# KiCad board analog_i.kicad_pcb (continued)
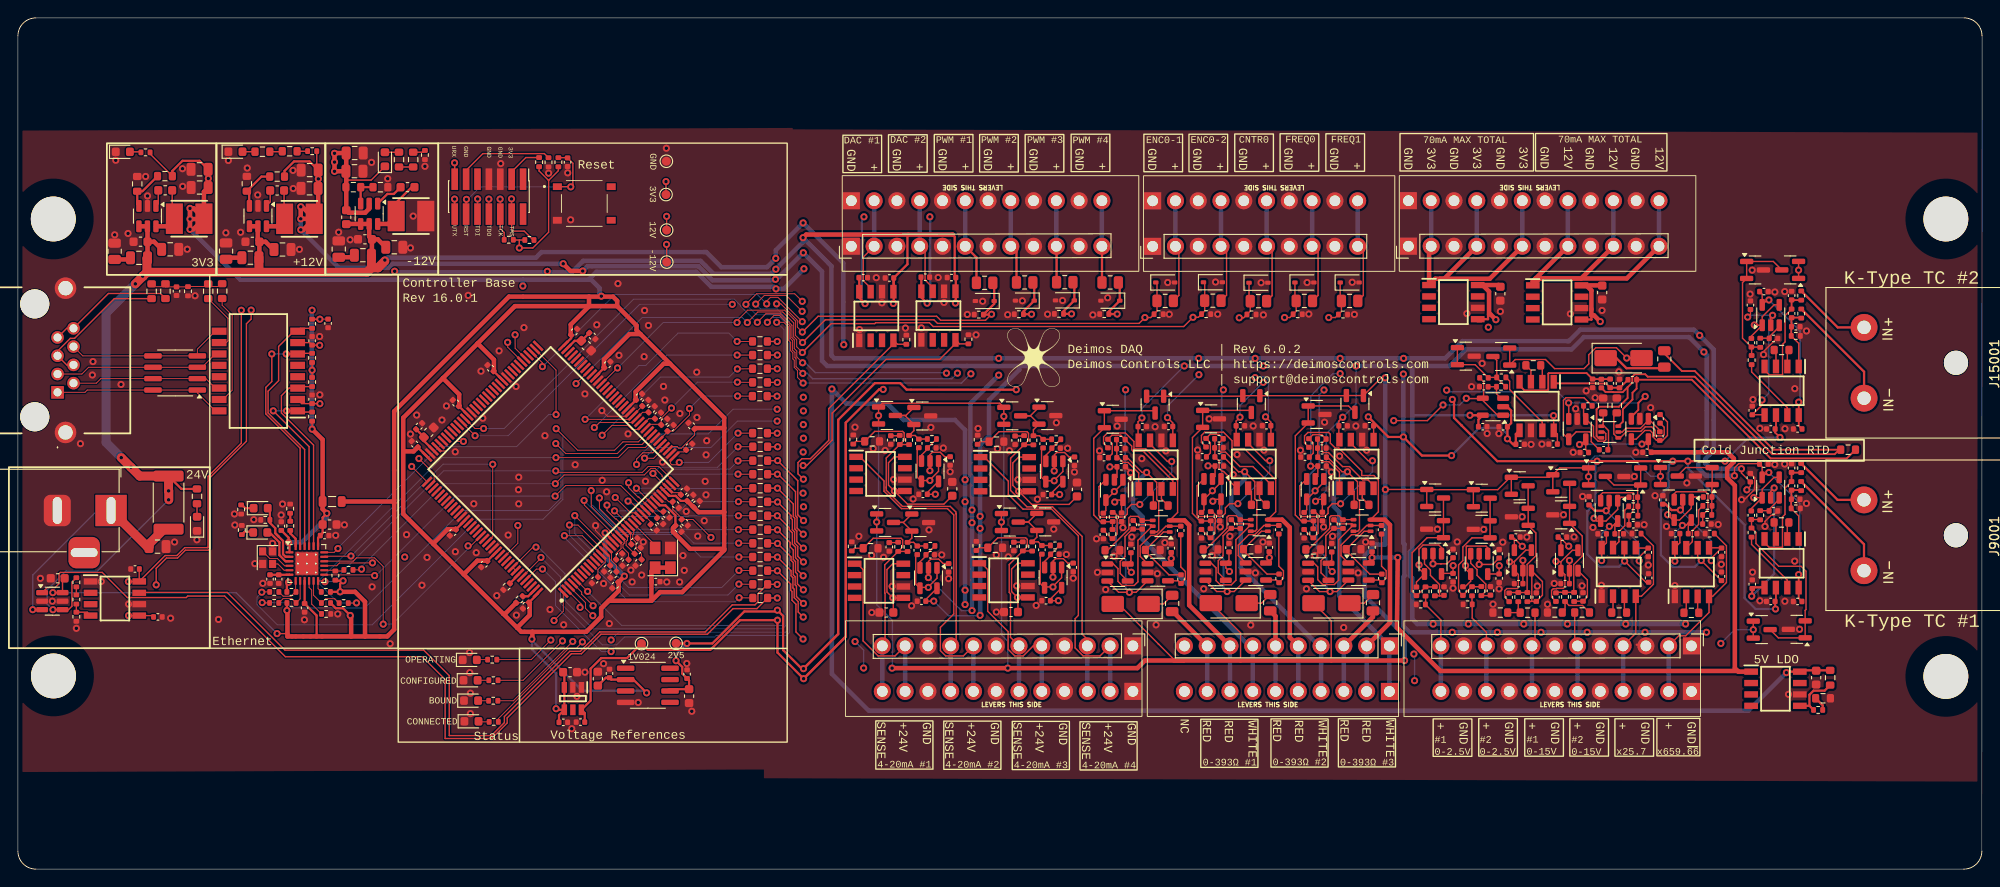
[diagram p0: board, top side]
## Footprints (pads in the part's own frame, mm; a bottom-side part is the same pattern mirrored in y, then rotated) (continued)

## Nets
+1V024: C5008.1 C9006.2 C15006.2 C36003.2 C38003.2 IC5004.6 IC9001.6 IC15001.6 IC36001.6 IC38001.6 TP7005.1
+2V5: C6023.2 C6024.2 C6050.2 C6051.2 IC4002.3 IC4003.3 IC5002.3 IC5003.3 IC6001.32 IC13002.3 IC13003.3 IC17002.3 IC17003.3 TP7003.1 U6002.6
+3V3: C3001.2 C5009.2 C5012.2 C6021.2 C6022.2 C6025.2 C6026.2 C6028.2 C6029.2 C6030.2 C6031.2 C6032.2 C6033.2 C6036.2 C6037.2 C6038.2 C6039.2 C6043.2 C6048.2 C6049.2 C7005.2 C8001.1 C10003.1 C10006.1 D4001.2 D5001.2 D13001.2 D17001.2 FB7001.1 IC3001.5 IC3001.8 IC5004.3 IC5004.4 IC6001.17 IC6001.30 IC6001.33 IC6001.39 IC6001.52 IC6001.62 IC6001.72 IC6001.84 IC6001.95 IC6001.108 IC6001.121 IC6001.131 IC6001.144 L10001.1 Q15001.1 Q15001.2 Q17001.1 Q17001.2 Q19001.1 Q19001.2 Q21001.1 Q21001.2 Q24001.1 Q24001.2 Q27001.1 Q27001.2 Q29001.1 Q29001.2 Q31001.1 Q31001.2 Q33001.1 Q33001.2 Q35001.1 Q35001.2 Q37001.1 Q37001.2 Q39001.1 Q39001.2 Q41001.1 Q41001.2 Q43001.1 Q43001.2 Q45001.1 Q45001.2 Q47001.1 Q47001.2 R6021.1 R6028.1 R6029.2 R6030.2 R7002.1 R7004.1 R7006.1 R7008.2 R7009.1 R10002.1 R12008.2 R13007.1 TP7004.1 U6002.2 U7001.9 U8001.6 Y6001.1 Y6001.4
+5V: C4007.1 C4010.1 C5007.1 C5010.1 C13007.1 C13010.1 C17007.1 C17010.1 IC3002.1 IC4002.5 IC4003.5 IC5002.5 IC5003.5 IC13002.5 IC13003.5 IC17002.5 IC17003.5
+12V: C3002.2 C4004.1 C5004.1 C8005.2 C9004.1 C11006.1 C11007.1 C13004.1 C15004.1 C15008.2 C17004.1 C17008.2 C19003.2 C21003.2 C24001.2 C27003.2 C29003.2 C31003.2 C33003.2 C35003.2 C36001.2 C37003.2 C38001.2 C39003.2 C41003.2 C43003.2 C45003.2 C47003.2 C53001.2 C54001.2 IC3003.5 IC3003.8 IC4001.8 IC5001.8 IC8001.8 IC9001.8 IC13001.8 IC15001.8 IC17001.8 IC36001.8 IC38001.8 IC53001.8 IC54001.8 L11001.1 R11004.1 R12005.2 TP7001.1 U15001.5 U17002.5 U19001.5 U21001.5 U24001.5 U27001.5 U29001.5 U31001.5 U33001.5 U35001.5 U37001.5 U39001.5 U41001.5 U43001.5 U45001.5 U47001.5
+24V: C3003.2 C10002.1 C10004.1 C10005.1 C11002.1 C11003.1 C11004.1 C14002.1 C14003.1 C14004.1 C14005.2 C28001.2 C30001.2 C32001.2 C34001.2 IC3002.8 IC10001.4 IC10001.5 IC11001.4 IC11001.5 IC14001.4 IC14001.5 IC17004.5 IC17004.8 IC20001.5 IC20001.8 IC24001.5 IC24001.8 IC28001.5 IC28001.8 R3002.2 R8004.1 R8006.1 R12001.2 U8001.4
-12V: C4005.1 C8002.2 C9005.1 C14005.1 C14007.1 C14008.1 C15009.2 C16001.2 C17009.2 C18002.2 C19004.2 C21004.2 C23001.1 C24004.2 C26001.1 C27004.2 C29004.2 C31004.2 C33004.2 C35004.2 C36002.2 C37004.2 C38002.2 C39004.2 C41004.2 C43004.2 C45004.2 C47004.2 C53002.2 C54002.2 D12002.1 IC4001.5 IC5001.5 IC8001.5 IC9001.5 IC13001.5 IC14001.2 IC15001.5 IC17001.5 IC36001.5 IC38001.5 IC53001.5 IC54001.5 R14004.2 TP7002.1 U15001.2 U17002.2 U19001.2 U21001.2 U24001.2 U27001.2 U29001.2 U31001.2 U33001.2 U35001.2 U37001.2 U39001.2 U41001.2 U43001.2 U45001.2 U47001.2
/analog_frontend/ain_0-15V_1/sallen_key_3kHz8/VIN: R40001.1 R40002.1 R41001.1
/analog_frontend/ain_0-15V_1/VIN: J3004.6 R40001.2
/analog_frontend/ain_0-15V_/sallen_key_3kHz8/VIN: R42001.1 R42002.1 R43001.1
/analog_frontend/ain_0-15V_/VIN: J3004.8 R42001.2
/analog_frontend/ain_g1_1/VIN: J3004.10 R44001.1 R45001.1
/analog_frontend/ain_g1_/VIN: J3004.12 R46001.1 R47001.1
/analog_frontend/ain_g25p7_/sallen_key_1kHz2/VIN: IC38001.7 R39001.1
/analog_frontend/ain_g25p7_/VIN: IC38001.4 J3004.4 R38002.1
/analog_frontend/ain_g666p333_/sallen_key_100Hz1/VIN: IC36001.7 R37001.2
/analog_frontend/ain_g666p333_/VIN: IC36001.4 J3004.2 R36002.1
/analog_frontend/K-Type TC Amp1/sallen_key_1kHz/VIN: IC15001.7 R19001.1
/analog_frontend/K-Type TC Amp/sallen_key_1kHz/VIN: IC9001.7 R17001.1
/analog_frontend/pwm_in_buf1/VIN: J3005.2 R48001.1
/analog_frontend/pwm_in_buf2/VIN: J3005.10 R52001.1
/analog_frontend/pwm_in_buf3/VIN: J3005.8 R51001.1
/analog_frontend/pwm_in_buf4/VIN: J3005.6 R50001.1
/analog_frontend/pwm_in_buf/VIN: J3005.4 R49001.1
GND: C3001.1 C3002.1 C3003.1 C4001.1 C4003.2 C4004.2 C4005.2 C4007.2 C4010.2 C5001.1 C5003.2 C5004.2 C5007.2 C5008.2 C5009.1 C5010.2 C5012.1 C6001.2 C6002.2 C6003.2 C6004.2 C6005.2 C6006.2 C6007.2 C6008.2 C6009.2 C6010.2 C6011.2 C6012.2 C6013.2 C6016.2 C6017.2 C6018.2 C6019.2 C6020.2 C6021.1 C6022.1 C6023.1 C6024.1 C6025.1 C6026.1 C6027.1 C6028.1 C6029.1 C6030.1 C6031.1 C6032.1 C6033.1 C6034.1 C6035.1 C6036.1 C6037.1 C6038.1 C6039.1 C6040.2 C6041.1 C6043.1 C6048.1 C6049.1 C6050.1 C6051.1 C7003.1 C7004.1 C7005.1 C7006.1 C7007.1 C7008.1 C7009.1 C7010.1 C7011.1 C7012.2 C8001.2 C8002.1 C8003.2 C8005.1 C9001.2 C9003.2 C9004.2 C9005.2 C9006.1 C10002.2 C10003.2 C10005.2 C10006.2 C11001.2 C11002.2 C11004.2 C11006.2 C11007.2 C13001.1 C13003.2 C13004.2 C13007.2 C13010.2 C14001.2 C14002.2 C14004.2 C14007.2 C14008.2 C15001.2 C15003.2 C15004.2 C15005.1 C15006.1 C15008.1 C15009.1 C16001.1 C17001.1 C17003.2 C17004.2 C17005.1 C17007.2 C17008.1 C17009.1 C17010.2 C18001.2 C18002.1 C19001.1 C19003.1 C19004.1 C21001.1 C21003.1 C21004.1 C22001.2 C23001.2 C24001.1 C24002.1 C24004.1 C26001.2 C27001.1 C27003.1 C27004.1 C28001.1 C29001.1 C29003.1 C29004.1 C30001.1 C31001.1 C31003.1 C31004.1 C32001.1 C33001.1 C33003.1 C33004.1 C34001.1 C35001.1 C35003.1 C35004.1 C36001.1 C36002.1 C36003.1 C37001.1 C37003.1 C37004.1 C38001.1 C38002.1 C38003.1 C39001.1 C39003.1 C39004.1 C41001.1 C41003.1 C41004.1 C43001.1 C43003.1 C43004.1 C45001.1 C45003.1 C45004.1 C47001.1 C47003.1 C47004.1 C53001.1 C53002.1 C54001.1 C54002.1 D6001.1 D6002.1 D6003.1 D6004.1 D12001.1 D12003.1 D12004.1 D48001.2 D49001.2 D50001.2 D51001.2 D52001.2 D55001.2 D56001.2 D57001.2 D58001.2 IC3001.6 IC3002.6 IC3003.6 IC4001.6 IC4002.2 IC4003.2 IC5001.6 IC5002.2 IC5003.2 IC5004.1 IC5004.2 IC6001.16 IC6001.31 IC6001.38 IC6001.51 IC6001.61 IC6001.83 IC6001.94 IC6001.107 IC6001.120 IC6001.130 IC8001.1 IC8001.6 IC10001.2 IC11001.2 IC13001.6 IC13002.2 IC13003.2 IC17001.6 IC17002.2 IC17003.2 IC17004.6 IC20001.6 IC24001.6 IC28001.6 IC36001.1 IC38001.1 IC53001.1 IC53001.6 IC54001.1 IC54001.6 J3001.1 J3001.3 J3001.5 J3001.7 J3001.9 J3001.11 J3003.1 J3003.4 J3003.7 J3003.10 J3004.1 J3004.3 J3004.5 J3004.7 J3004.9 J3004.11 J3005.1 J3005.3 J3005.5 J3005.7 J3005.9 J3006.1 J3006.3 J3006.5 J3006.7 J3006.9 J3006.11 J6001.5 J6001.7 J8001.2 J13001.9 J13001.10 L14001.2 Q15002.3 Q17002.3 Q19002.3 Q21002.3 Q24002.3 Q27002.3 Q29002.3 Q31002.3 Q33002.3 Q35002.3 Q37002.3 Q39002.3 Q41002.3 Q43002.3 Q45002.3 Q47002.3 R3004.1 R4006.2 R4009.2 R5006.2 R5009.2 R6022.2 R6024.1 R7010.1 R7012.2 R7015.1 R7017.1 R7019.2 R7024.2 R8005.1 R9003.2 R10001.2 R10003.2 R11002.1 R11003.2 R11005.2 R12002.2 R13006.2 R13009.2 R14002.1 R14003.2 R14005.1 R15003.2 R17006.2 R17009.2 R18002.1 R22002.1 R28001.2 R30001.2 R32001.2 R34001.2 R36002.2 R38002.2 R40002.2 R42002.2 R44001.2 R46001.2 R48002.2 R49002.2 R50002.2 R51002.2 R52002.2 R53001.2 R54001.2 R55001.2 R56001.2 R57001.2 R58001.2 S6001.C1 TP8002.1 U6002.4 U7001.25 U8001.2 U8001.5 Y6001.2 Y7001.2 Y7001.4
/analog_frontend/4-20mA Frontend1/+24_EXC: IC20001.1 J3003.8
/analog_frontend/4-20mA Frontend1/SIGNAL: J3003.9 R14001.2 R14002.2 R32001.1 R33001.1
/analog_frontend/4-20mA Frontend2/+24_EXC: IC24001.1 J3003.5
/analog_frontend/4-20mA Frontend2/SIGNAL: J3003.6 R18001.2 R18002.2 R30001.1 R31001.1
/analog_frontend/4-20mA Frontend3/+24_EXC: IC28001.1 J3003.2
/analog_frontend/4-20mA Frontend3/SIGNAL: J3003.3 R22001.2 R22002.2 R28001.1 R29001.1
/analog_frontend/4-20mA Frontend/+24_EXC: IC17004.1 J3003.11
/analog_frontend/4-20mA Frontend/SIGNAL: J3003.12 R11001.2 R11002.2 R34001.1 R35001.1
/analog_frontend/AIN2: C15007.2 R6003.1 U15001.1 U15001.4
/analog_frontend/AIN3: C35002.2 R6007.1 U35001.1 U35001.4
/analog_frontend/AIN4: C33002.2 R6008.1 U33001.1 U33001.4
/analog_frontend/AIN5: C31002.2 R6004.1 U31001.1 U31001.4
/analog_frontend/AIN6: C29002.2 R6005.1 U29001.1 U29001.4
/analog_frontend/AIN7: C21002.2 R6006.1 U21001.1 U21001.4
/analog_frontend/AIN8: C24003.2 R6009.1 U24001.1 U24001.4
/analog_frontend/AIN9: C27002.2 R6010.1 U27001.1 U27001.4
/analog_frontend/AIN10: C17006.2 R6011.1 U17002.1 U17002.4
/analog_frontend/AIN11: C19002.2 R6012.1 U19001.1 U19001.4
/analog_frontend/AIN12: C47002.2 R6013.1 U47001.1 U47001.4
/analog_frontend/AIN13_DAC0: IC6001.40 IC53001.4 R53001.1
/analog_frontend/AIN14_DAC1: IC6001.41 IC54001.4 R54001.1
/analog_frontend/AIN15: C45002.2 R6016.1 U45001.1 U45001.4
/analog_frontend/AIN16: C43002.2 R6017.1 U43001.1 U43001.4
/analog_frontend/AIN17: C41002.2 R6018.1 U41001.1 U41001.4
/analog_frontend/AIN18: C39002.2 R6019.1 U39001.1 U39001.4
/analog_frontend/AIN19: C37002.2 R6020.1 U37001.1 U37001.4
/analog_frontend/COUNTER0: D50001.1 IC6001.96 R50001.2 R50002.1
/analog_frontend/dac_buf1/VOUT: IC54001.7 J3006.4
/analog_frontend/dac_buf/VOUT: IC53001.7 J3006.2
/analog_frontend/ENCODER0_0: D48001.1 IC6001.60 R48001.2 R48002.1
/analog_frontend/ENCODER0_1: D49001.1 IC6001.64 R49001.2 R49002.1
/analog_frontend/FREQ0: D51001.1 IC6001.136 IC6001.137 R51001.2 R51002.1
/analog_frontend/FREQ1: D52001.1 IC6001.5 R52001.2 R52002.1
/analog_frontend/K-Type TC Amp1/Signal+: C15001.1 C15002.1 IC15001.4 R15001.2
/analog_frontend/K-Type TC Amp1/Signal-: C15002.2 C15003.1 IC15001.1 R15002.1 R15003.1
/analog_frontend/K-Type TC Amp/Signal+: C9001.1 C9002.1 IC9001.4 R9001.2
/analog_frontend/K-Type TC Amp/Signal-: C9002.2 C9003.1 IC9001.1 R9002.1 R9003.1
/analog_frontend/PWM0: D55001.1 IC6001.97 R55001.1 R55002.1
/analog_frontend/PWM1: D56001.1 IC6001.75 R56001.1 R56002.1
/analog_frontend/PWM2: D57001.1 IC6001.139 R57001.1 R57002.1
/analog_frontend/PWM3: D58001.1 IC6001.140 R58001.1 R58002.1
/analog_frontend/pwm_out_buf1/VOUT: J3006.8 R56002.2
/analog_frontend/pwm_out_buf2/VOUT: J3006.10 R57002.2
/analog_frontend/pwm_out_buf3/VOUT: J3006.12 R58002.2
/analog_frontend/pwm_out_buf/VOUT: J3006.6 R55002.2
/analog_frontend/RTD Amp1/R+: J3002.6 R13003.2
/analog_frontend/RTD Amp1/R-: J3002.5 R13004.2 U13001.3
/analog_frontend/RTD Amp1/rtd_amp_inner/Signal+: C13001.2 C13002.1 IC13001.4 R13004.1
/analog_frontend/RTD Amp1/rtd_amp_inner/Signal-: C13002.2 C13003.1 IC13001.1 R13005.1
/analog_frontend/RTD Amp1/rtd_amp_inner/Vout: IC13001.7 R24001.1
/analog_frontend/RTD Amp1/W-: J3002.4 R13005.2 U13001.6
/analog_frontend/RTD Amp2/R+: J3002.3 R17003.2
/analog_frontend/RTD Amp2/R-: J3002.2 R17004.2 U17001.3
/analog_frontend/RTD Amp2/rtd_amp_inner/Signal+: C17001.2 C17002.1 IC17001.4 R17004.1
/analog_frontend/RTD Amp2/rtd_amp_inner/Signal-: C17002.2 C17003.1 IC17001.1 R17005.1
/analog_frontend/RTD Amp2/rtd_amp_inner/Vout: IC17001.7 R27001.1
/analog_frontend/RTD Amp2/W-: J3002.1 R17005.2 U17001.6
/analog_frontend/RTD Amp/R+: J3002.9 R5003.2
/analog_frontend/RTD Amp/R-: J3002.8 R5004.2 U5001.3
/analog_frontend/RTD Amp/rtd_amp_inner/Signal+: C5001.2 C5002.1 IC5001.4 R5004.1
/analog_frontend/RTD Amp/rtd_amp_inner/Signal-: C5002.2 C5003.1 IC5001.1 R5005.1
/analog_frontend/RTD Amp/rtd_amp_inner/Vout: IC5001.7 R21001.1
/analog_frontend/RTD Amp/W-: J3002.7 R5005.2 U5001.6
/analog_frontend/rtd_amp_inner1/250uA_SINK_1: R3001.1 R4005.2 U4001.6
/analog_frontend/rtd_amp_inner1/250uA_SINK_2: R3001.2 R4003.2 R4004.2 U4001.3
/analog_frontend/rtd_amp_inner1/Signal+: C4001.2 C4002.1 IC4001.4 R4004.1
/analog_frontend/rtd_amp_inner1/Signal-: C4002.2 C4003.1 IC4001.1 R4005.1
/analog_frontend/rtd_amp_inner1/Vout: IC4001.7 R15004.2
/base/AIN0: R6001.1 U8001.1
/base/AIN1: IC8001.7 R6002.1
/base/Micro/AIN0_Filt: C6001.1 IC6001.13 R6001.2
/base/Micro/AIN1_Filt: C6002.1 IC6001.14 R6002.2
/base/Micro/AIN2_Filt: C6003.1 IC6001.15 R6003.2
/base/Micro/AIN3_Filt: C6007.1 IC6001.18 R6007.2
/base/Micro/AIN4_Filt: C6008.1 IC6001.19 R6008.2
/base/Micro/AIN5_Filt: C6004.1 IC6001.20 R6004.2
/base/Micro/AIN6_Filt: C6005.1 IC6001.21 R6005.2
/base/Micro/AIN7_Filt: C6006.1 IC6001.22 R6006.2
/base/Micro/AIN8_Filt: C6009.1 IC6001.26 R6009.2
/base/Micro/AIN9_Filt: C6010.1 IC6001.28 R6010.2
/base/Micro/AIN10_Filt: C6011.1 IC6001.29 R6011.2
/base/Micro/AIN11_Filt: C6012.1 IC6001.34 R6012.2
/base/Micro/AIN12_Filt: C6013.1 IC6001.37 R6013.2
/base/Micro/AIN15_Filt: C6016.1 IC6001.42 R6016.2
/base/Micro/AIN16_Filt: C6017.1 IC6001.46 R6017.2
/base/Micro/AIN17_Filt: C6018.1 IC6001.47 R6018.2
/base/Micro/AIN18_Filt: C6019.1 IC6001.49 R6019.2
/base/Micro/AIN19_Filt: C6020.1 IC6001.50 R6020.2
/base/Micro/DEBUG_RESET: C6027.2 IC6001.25 J6001.12 R6028.2 S6001.A1 U7001.15
/base/Micro/DEBUG_TCK/SWCLK: IC6001.109 J6001.6 R6030.1
/base/Micro/DEBUG_TDI: IC6001.110 J6001.10
/base/Micro/DEBUG_TDO/SWO: IC6001.133 J6001.8
/base/Micro/DEBUG_TMS/SWDIO: IC6001.105 J6001.4 R6029.1
/base/Micro/Ethernet/RX+: R7013.1 T7001.6 U7001.23
/base/Micro/Ethernet/RX-: R7011.1 T7001.8 U7001.22
/base/Micro/Ethernet/TX+: R7018.1 T7001.1 U7001.21
/base/Micro/Ethernet/TX-: R7016.1 T7001.3 U7001.20
/base/Micro/HSECLK: IC6001.23 Y6001.3
/base/Micro/LED0: IC6001.4 R6023.2
/base/Micro/LED1: IC6001.3 R6025.2
/base/Micro/LED2: IC6001.2 R6026.2
/base/Micro/LED3: IC6001.1 R6027.2
/base/Micro/RMII_CRS_DV: IC6001.43 R7005.1
/base/Micro/RMII_MDC: IC6001.27 U7001.13
/base/Micro/RMII_MDIO: IC6001.36 R7008.1 U7001.12
/base/Micro/RMII_REF_CLK: IC6001.35 R7007.2
/base/Micro/RMII_RXD0: IC6001.44 R7001.2
/base/Micro/RMII_RXD1: IC6001.45 R7003.2
/base/Micro/RMII_TX_EN: IC6001.126 U7001.16
/base/Micro/RMII_TXD0: IC6001.128 U7001.17
/base/Micro/RMII_TXD1: IC6001.74 U7001.18
/base/Micro/UART_RX: IC6001.78 J6001.13
/base/Micro/UART_TX: IC6001.77 J6001.14
Net-(C7012-Pad1): C7012.1 R7020.2 R7021.1 R7022.1 R7023.2 R7024.1
Net-(C10004-Pad2): C10004.2 R10003.1
Net-(C11001-Pad1): C11001.1 R11001.1
Net-(C11003-Pad2): C11003.2 R11003.1
Net-(C14001-Pad1): C14001.1 R14001.1
Net-(C14003-Pad2): C14003.2 R14003.1
Net-(C18001-Pad1): C18001.1 R18001.1
Net-(C22001-Pad1): C22001.1 R22001.1
Net-(D4001-K): D4001.1 R4003.1
Net-(D5001-K): D5001.1 R5003.1
Net-(D6001-A): D6001.2 R6023.1
Net-(D6002-A): D6002.2 R6025.1
Net-(D6003-A): D6003.2 R6026.1
Net-(D6004-A): D6004.2 R6027.1
Net-(D7001-A): D7001.2 R7012.1 U7001.2
Net-(D7001-K): D7001.1 R7015.2
Net-(D7002-A): D7002.2 U7001.3
Net-(D7002-K): D7002.1 R7019.1
Net-(D12001-A): D12001.2 R12001.1
Net-(D12002-A): D12002.2 R12004.1
Net-(D12003-A): D12003.2 R12007.1
Net-(D12004-A): D12004.2 R12008.1
Net-(D13001-K): D13001.1 R13003.1
Net-(D17001-K): D17001.1 R17003.1
Net-(IC3001-VO): IC3001.1 J3001.2 J3001.4 J3001.6
Net-(IC3002-ADJ_/_EN): IC3002.5 R3002.1 R3003.1
Net-(IC3003-VO): IC3003.1 J3001.8 J3001.10 J3001.12
Net-(IC4001-RG_1): IC4001.2 R4002.1
Net-(IC4001-RG_2): IC4001.3 R4002.2
Net-(IC4002--IN): C4006.1 IC4002.4 R4001.2
Net-(IC4002-OUT): C4006.2 IC4002.1 U4001.2
Net-(IC4003--IN): C4008.1 IC4003.4 R4007.1
Net-(IC4003-OUT): C4008.2 IC4003.1 U4001.5
Net-(IC5001-RG_1): IC5001.2 R5002.1
Net-(IC5001-RG_2): IC5001.3 R5002.2
Net-(IC5002--IN): C9007.1 IC5002.4 R9004.2
Net-(IC5002-OUT): C9007.2 IC5002.1 U5001.2
Net-(IC5003--IN): C9008.1 IC5003.4 R9006.1
Net-(IC5003-OUT): C9008.2 IC5003.1 U5001.5
Net-(IC6001-BOOT0): IC6001.138 R6022.1
Net-(IC6001-PDR_ON): IC6001.143 R6021.2
Net-(IC6001-VCAP_1): C6034.2 C6035.2 IC6001.71
Net-(IC6001-VCAP_2): C6040.1 C6041.2 IC6001.106
Net-(IC8001-+IN): IC8001.4 R8005.2 R8007.1
Net-(IC9001-RG_1): IC9001.2 R9005.1
Net-(IC9001-RG_2): IC9001.3 R9005.2
Net-(IC10001-CB): C10001.2 IC10001.1
Net-(IC10001-FB): IC10001.3 R10001.1 R10002.2
Net-(IC10001-SW): C10001.1 IC10001.6 L10001.2
Net-(IC11001-CB): C11005.2 IC11001.1
Net-(IC11001-FB): IC11001.3 R11004.2 R11005.1
Net-(IC11001-SW): C11005.1 IC11001.6 L11001.2
Net-(IC13001-RG_1): IC13001.2 R13002.1
Net-(IC13001-RG_2): IC13001.3 R13002.2
Net-(IC13002--IN): C23002.1 IC13002.4 R23001.2
Net-(IC13002-OUT): C23002.2 IC13002.1 U13001.2
Net-(IC13003--IN): C23003.1 IC13003.4 R23002.1
Net-(IC13003-OUT): C23003.2 IC13003.1 U13001.5
Net-(IC14001-CB): C14006.1 IC14001.1
Net-(IC14001-FB): IC14001.3 R14004.1 R14005.2
Net-(IC14001-SW): C14006.2 IC14001.6 L14001.1
Net-(IC15001-RG_1): IC15001.2 R15005.1
Net-(IC15001-RG_2): IC15001.3 R15005.2
Net-(IC17001-RG_1): IC17001.2 R17002.1
Net-(IC17001-RG_2): IC17001.3 R17002.2
Net-(IC17002--IN): C26002.1 IC17002.4 R26001.2
Net-(IC17002-OUT): C26002.2 IC17002.1 U17001.2
Net-(IC17003--IN): C26003.1 IC17003.4 R26002.1
Net-(IC17003-OUT): C26003.2 IC17003.1 U17001.5
Net-(IC36001-RG_1): IC36001.2 R36001.1
Net-(IC36001-RG_2): IC36001.3 R36001.2
Net-(IC38001-RG_1): IC38001.2 R38001.1
Net-(IC38001-RG_2): IC38001.3 R38001.2
Net-(J6001-Pin_3): J6001.3 R13007.2
Net-(J6001-Pin_11): J6001.11 R6024.2
Net-(J9001-Pin_1): J9001.1 R9002.2
Net-(J9001-Pin_2): J9001.2 R9001.1
Net-(J13001-Pad4): J13001.4 J13001.5 R7022.2
Net-(J13001-Pad7): J13001.7 J13001.8 R7023.1
Net-(J15001-Pin_1): J15001.1 R15002.2
Net-(J15001-Pin_2): J15001.2 R15001.1
Net-(Q15001-G): C15007.1 Q15001.3 Q15002.1 Q15002.2 R15004.1 R15006.2
Net-(Q17001-G): C17006.1 Q17001.3 Q17002.1 Q17002.2 R17001.2 R17007.1
Net-(Q19001-G): C19002.1 Q19001.3 Q19002.1 Q19002.2 R19001.2 R19002.1
Net-(Q21001-G): C21002.1 Q21001.3 Q21002.1 Q21002.2 R21001.2 R21002.1
Net-(Q24001-G): C24003.1 Q24001.3 Q24002.1 Q24002.2 R24001.2 R24002.1
Net-(Q27001-G): C27002.1 Q27001.3 Q27002.1 Q27002.2 R27001.2 R27002.1
Net-(Q29001-G): C29002.1 Q29001.3 Q29002.1 Q29002.2 R29001.2 R29002.1
Net-(Q31001-G): C31002.1 Q31001.3 Q31002.1 Q31002.2 R31001.2 R31002.1
Net-(Q33001-G): C33002.1 Q33001.3 Q33002.1 Q33002.2 R33001.2 R33002.1
Net-(Q35001-G): C35002.1 Q35001.3 Q35002.1 Q35002.2 R35001.2 R35002.1
Net-(Q37001-G): C37002.1 Q37001.3 Q37002.1 Q37002.2 R37001.1 R37002.2
Net-(Q39001-G): C39002.1 Q39001.3 Q39002.1 Q39002.2 R39001.2 R39002.1
Net-(Q41001-G): C41002.1 Q41001.3 Q41002.1 Q41002.2 R41001.2 R41002.1
Net-(Q43001-G): C43002.1 Q43001.3 Q43002.1 Q43002.2 R43001.2 R43002.1
Net-(Q45001-G): C45002.1 Q45001.3 Q45002.1 Q45002.2 R45001.2 R45002.1
Net-(Q47001-G): C47002.1 Q47001.3 Q47002.1 Q47002.2 R47001.2 R47002.1
Net-(R3003-Pad2): R3003.2 R3004.2
Net-(R7014-Pad1): R7014.1 R7017.2
Net-(R8006-Pad2): R8006.2 R8007.2
Net-(R12002-Pad1): R12002.1 R12003.1
Net-(R12003-Pad2): R12003.2 R12004.2
Net-(R12005-Pad1): R12005.1 R12006.1
Net-(R12006-Pad2): R12006.2 R12007.2
Net-(T7001-CT_1): C7006.2 C7007.2 C7008.2 C7009.2 C7010.2 C7011.2 FB7001.2 R7011.2 R7013.2 R7016.2 R7018.2 T7001.2 T7001.7 U7001.1 U7001.19
Net-(T7001-NC_3): R7020.1 T7001.10
Net-(T7001-NC_6): R7021.2 T7001.15
Net-(T7001-RX+): D7003.3 D7003.6 J13001.3 T7001.11
Net-(T7001-RX-): D7003.4 D7003.5 J13001.6 T7001.9
Net-(T7001-TX+): D7003.1 D7003.8 J13001.1 T7001.16
Net-(T7001-TX-): D7003.2 D7003.7 J13001.2 T7001.14
Net-(U4001-S1): R4001.1 R4006.1 U4001.1
Net-(U4001-S2): R4007.2 R4009.1 U4001.4
Net-(U5001-S1): R5006.1 R9004.1 U5001.1
Net-(U5001-S2): R5009.1 R9006.2 U5001.4
Net-(U7001-CRS_DV/MODE2): R7005.2 R7006.2 U7001.11
Net-(U7001-RBIAS): R7014.2 U7001.24
Net-(U7001-RXD0/MODE0): R7001.1 R7002.2 U7001.8
Net-(U7001-RXD1/MODE1): R7003.1 R7004.2 U7001.7
Net-(U7001-RXER/PHYAD0): R7010.2 U7001.10
Net-(U7001-VDDCR): C7003.2 C7004.2 U7001.6
Net-(U7001-XTAL1/CLKIN): U7001.5 Y7001.3
Net-(U7001-XTAL2): U7001.4 Y7001.1
Net-(U7001-~{INT}/REFCLKO): R7007.1 R7009.2 U7001.14
Net-(U8001-+): C8003.1 J8001.1 R8004.2 U8001.3
Net-(U13001-S1): R13006.1 R23001.1 U13001.1
Net-(U13001-S2): R13009.1 R23002.2 U13001.4
Net-(U15001-+): C15005.2 R15006.1 U15001.3
Net-(U17001-S1): R17006.1 R26001.1 U17001.1
Net-(U17001-S2): R17009.1 R26002.2 U17001.4
Net-(U17002-+): C17005.2 R17007.2 U17002.3
Net-(U19001-+): C19001.2 R19002.2 U19001.3
Net-(U21001-+): C21001.2 R21002.2 U21001.3
Net-(U24001-+): C24002.2 R24002.2 U24001.3
Net-(U27001-+): C27001.2 R27002.2 U27001.3
Net-(U29001-+): C29001.2 R29002.2 U29001.3
Net-(U31001-+): C31001.2 R31002.2 U31001.3
Net-(U33001-+): C33001.2 R33002.2 U33001.3
Net-(U35001-+): C35001.2 R35002.2 U35001.3
Net-(U37001-+): C37001.2 R37002.1 U37001.3
Net-(U39001-+): C39001.2 R39002.2 U39001.3
Net-(U41001-+): C41001.2 R41002.2 U41001.3
Net-(U43001-+): C43001.2 R43002.2 U43001.3
Net-(U45001-+): C45001.2 R45002.2 U45001.3
Net-(U47001-+): C47001.2 R47002.2 U47001.3

Pads without a net: IC3001 2 3 4 7; IC3002 2 3 4 7; IC3003 2 3 4 7; IC5004 5; IC6001 6 7 8 9 10 11 12 24 48 53 54 55 56 57 58 59 63 65 66 67 68 69 70 73 76 79 80 81 82 85 86 87 88 89 90 91 92 93 98 99 100 101 102 103 104 111 112 113 114 115 116 117 118 119 122 123 124 125 127 129 132 134 135 141 142; IC8001 2 3; IC17004 2 3 4 7; IC20001 2 3 4 7; IC24001 2 3 4 7; IC28001 2 3 4 7; IC53001 2 3; IC54001 2 3; J3002 10; J6001 1 2 9; J8001 3; S6001 B1 D1; T7001 4 5 12 13; U6002 1 3 5 7 8

## Via types
v1: diameter 0.8, hole 0.4, Top to Bottom, 714 vias

## Routing (per net, layer and track width the routed paths; a pad name or vN(x,y) marks a point on that pad's centre or on a via; arc(x,y) is an arc through that point)
+1V024: length 281.8
  Top w0.15: IC38001.6 179.14,34.41 v1(179.17,34.38) 181.53,32.02 C38003.2 ; IC36001.6 187.31,34.85 v1(187.71,34.45) C36003.2
  Top w0.2: IC9001.6 196.04,29.97 C9006.2 195.94,29.08 v1(195.99,29.03) ; IC15001.6 196.04,49.22 C15006.2 195.95,48.72 v1(196.49,48.18)
  Top w0.25: v1(96.49,53.54) 96.03,53.54 92.32,49.83 ; v1(159.95,52.42) 160.14,52.23 160.14,50.36 160.98,49.52 160.98,49.51 164.97,45.53 v1(176.09,45.53) v1(184.54,45.53) v1(186.22,45.53) v1(190.36,45.53) ; v1(87.61,21.25) 92.32,25.96 ; v1(87.61,21.25) 84.7,24.16 v1(84.7,27.78) 80.52,27.78 77.21,24.47 70.23,24.47 TP7005.1 67.92,23.55 65.04,23.55 63.86,22.36 63.86,18.8 IC5004.6 63.21,17.4 C5008.1 ; v1(87.61,21.25) 92.32,25.96 ; 92.32,25.96 92.32,49.83 ; 92.32,25.96 92.32,49.83
  In2.Cu w0.15: v1(96.49,53.54) 97.04,54.09 134.79,54.09 135.12,53.75 139.14,53.75 139.44,54.05 159.99,54.05 160.17,53.88 160.17,52.63 v1(159.95,52.42)
  Bottom w0.2: v1(196.49,48.18) 193.01,48.18 191.83,47 ; 192.2,47.37 191.83,47 ; 191.83,47 v1(190.36,45.53)
  Bottom w0.25: v1(186.22,45.53) 186.22,44.75 192.54,38.42 192.54,30.26 193.77,29.03 v1(195.99,29.03) ; v1(179.17,34.38) 178.54,33.75 176.4,33.75 175,35.15 175,39.97 175.05,39.97 175.92,40.84 175.92,45.35 v1(176.09,45.53) ; v1(184.54,45.53) 184.07,45.06 184.07,42.65 183.21,41.79 183.21,35.04 184.52,33.73 186.99,33.73 v1(187.71,34.45)
+2V5: length 296
  Top w0.1: v1(77.28,37.02) 75.28,39.02 C6024.2 74.02,39.17 73.01,40.18 C6023.2 72.57,41 IC6001.32
  Top w0.15: IC5003.3 122.74,30.89 v1(123.94,30.89) 124.68,30.89 IC5002.3 ; IC13002.3 135.62,30.98 v1(134.84,30.98) 133.68,30.98 IC13003.3 ; 172.92,51.98 172.87,52.03 v1(172.92,52.03) 172.92,51.98 ; 172.92,51.98 172.93,51.97 IC4002.3 ; IC17003.3 145.13,30.97 v1(146.32,30.97) 147.08,30.97 IC17002.3
  Top w0.2: v1(145.64,53.48) 145.92,53.48 ; 159.29,53.48 v1(159.32,53.45) ; v1(181.46,52.76) 181.41,52.76 180.69,52.04 180.69,51.25 179.91,50.47 IC4003.3
  Top w0.25: 91.46,50.14 91.46,26.23 ; 91.46,50.14 95.56,54.24 98.38,54.24 99.1,53.51 99.58,53.51 v1(111.33,53.5) ; 91.46,50.14 91.46,26.23 ; 91.46,26.23 v1(87.6,22.37) ; 91.46,26.23 v1(87.6,22.37) ; v1(87.6,22.37) 87.4,22.37 85.33,24.44 85.33,28.25 v1(84.69,28.9) 84.54,28.75 81,28.75 77.43,25.18 v1(74.6,25.18) 74.59,25.19 TP7003.1 ; v1(73.39,23.26) 74.08,22.56 74.08,21.81 C6050.2 74.84,21.05 C6051.2 72.57,20.08
  In2.Cu w0.2: v1(159.32,53.45) 159.29,53.48 v1(145.64,53.48) 123.53,53.48 v1(123.52,53.49)
  In2.Cu w0.25: v1(84.69,28.9) 80.92,28.9 77.87,31.95 77.87,36.97 77.32,36.97 v1(77.28,37.02) ; v1(111.33,53.5) v1(123.52,53.49)
  Bottom w0.15: v1(181.46,52.76) 180.73,52.03 172.92,52.03 v1(172.92,52.03) 171.68,53.27 159.5,53.27 v1(159.32,53.45)
  Bottom w0.2: v1(134.42,53.49) 134.23,53.3 134.23,39.43 133.32,38.52 133.32,35.71 134.44,34.59 134.44,31.38 v1(134.84,30.98) ; v1(123.94,30.89) 123.53,31.3 123.53,34.51 122.44,35.6 122.44,38.28 123.47,39.3 123.47,53.44 v1(123.52,53.49) ; v1(145.64,53.48) 145.11,52.94 145.11,45.09 144.05,44.03 144.05,39.09 144.83,38.31 144.83,35.81 145.92,34.72 145.92,31.37 v1(146.32,30.97)
  Bottom w0.25: v1(73.39,23.26) 73.39,23.97 v1(74.6,25.18)
+3V3: length 1023.9
  Top w0.1: R6021.1 55.59,29.75 C6028.2 56.96,29.73 ; IC6001.39 72.91,47.17 73.5,47.17 73.69,46.97 73.98,46.97 75.45,48.45 C6029.2
  Top w0.15: R10002.1 14.74,79.82 R12008.2 ; U8001.6 4.97,32.22 C8001.1 ; U8001.6 v1(3.89,30.85) ; U8001.6 5.15,31.03 ; D17001.2 146.44,27.71 146.44,23.28 146.45,23.28 ; R6030.2 55.27,70.21 55.91,70.21 ; 127.15,25.16 122.71,29.6 D5001.2 ; 127.15,25.16 128.92,23.39 128.92,23.28 ; 127.15,25.16 127.24,25.07 ; Q31001.2 v1(109.67,38.73) Q31001.1 ; Q41001.1 171.93,44.78 Q39001.1 v1(175.14,43.8) Q39001.2 ; Q41001.1 171.05,44.01 170.77,43.73 Q43001.1 ; Q41001.1 Q41001.2 ; Q45001.1 165.02,42.35 166.4,43.73 Q43001.1 ; Q45001.1 157.12,42.35 Q47001.1 ; Q45001.1 Q45001.2 ; Q19001.2 v1(198.56,66.85) Q19001.1 ; Q37001.2 v1(183.16,43.84) Q37001.1 ; R6028.1 60.27,77.95 59.23,76.91 59.18,76.91 ; v1(152.47,54.83) 152.01,54.83 Q27001.1 Q27001.2 148.12,52.84 Q24001.1 Q24001.2 136.53,52.78 Q21001.1 Q21001.2 ; 136.34,23.28 136.34,26.37 D13001.2 ; Q29001.2 v1(109.94,50.53) Q29001.1 109.48,52 96.39,52 Q33001.1 v1(95.97,50.61) Q33001.2 ; Q47001.2 Q47001.1 ; Q47001.1 152.5,42.37 v1(152.49,42.36) ; 59.18,76.91 59.12,76.91 58.12,77.92 R13007.1 ; 59.18,76.91 59.18,71.08 57.42,69.32 v1(55.91,69.32) 55.91,70.21 ; Q43001.2 Q43001.1 ; R6029.2 55.91,70.21 ; Q17001.1 v1(193.51,26.72) Q17001.2 ; v1(28.9,26.28) 30.06,26.28 ; Q35001.2 v1(95.76,38.74) Q35001.1 ; Q15001.2 Q15001.1 166.97,56.87 170.34,56.87 171.36,55.86 174.64,55.86 175.17,56.39 175.17,57.4 175.95,58.19 178.25,58.19 v1(179.4,57.04) ; v1(72.27,76.73) TP7004.1
  Top w0.25: 37.07,28.3 v1(37.06,28.31) 36.25,29.11 35.44,29.11 R7006.1 ; IC6001.72 60.84,58.4 61.69,59.25 C6037.2 ; IC3001.5 163.94,61.38 163.94,61.81 164.05,61.92 ; R7004.1 29.99,31.81 30.18,32 v1(30.18,32.02) 30.2,32.02 30.19,32.01 ; IC6001.17 66.47,36.52 v1(65.47,37.51) ; IC6001.144 58,30.77 C6028.2 ; C6049.2 65.55,21.35 C6048.2 66.17,21.15 U6002.2 68.63,21.15 v1(70.11,19.67) ; C6036.2 45.63,46.04 IC6001.108 ; IC5004.4 60.34,17.18 C5009.2 ; IC5004.4 60.13,17.78 v1(60.01,17.9) ; IC5004.4 IC5004.3 60.93,21.84 C5012.2 ; R7008.2 v1(35.93,30.95) ; v1(35.93,30.95) 35.93,31.85 v1(36.26,32.18) 35.5,32.18 ; v1(35.93,30.95) 35.94,30.94 ; C6033.2 64.35,54.92 IC6001.62 ; IC6001.131 53.39,35.44 C6030.2 ; D4001.2 179.41,57.03 v1(179.4,57.04) ; C6022.2 73.32,39.48 72.2,40.6 71.56,40.6 IC6001.30 ; 36.28,32.37 36.29,32.37 ; U7001.9 C7005.2 33.31,28.3 33.31,25.97 ; C6025.2 73.91,41.09 73.35,41.66 72.62,41.66 IC6001.33 ; C6039.2 54.1,54.51 IC6001.84 ; IC6001.52 68.92,52.37 C6031.2 ; R10002.1 17.22,77.92 18.35,79.05 20.25,79.05 C10006.1 ; IC6001.95 50.22,50.62 C6038.2 ; C6032.2 49.87,38.94 IC6001.121 ; 30.01,28.86 v1(30,28.87) R7002.1 ; 162.75,61.14 163.17,61.14 ; R7009.1 35.52,32.37